# Altium PCB STM32F767IGT6.PcbDoc (part 2 of 2)
Units mil, origin at the board's own origin, x right, y up, seen from the top; angles counter-clockwise.
Board outline 3765 x 2155 mil, 2 copper layers (Top Layer, Bottom Layer); 135 components, 194 nets, 727 pads, 429 vias.
Unrouted connection lines stored in the file: 1.
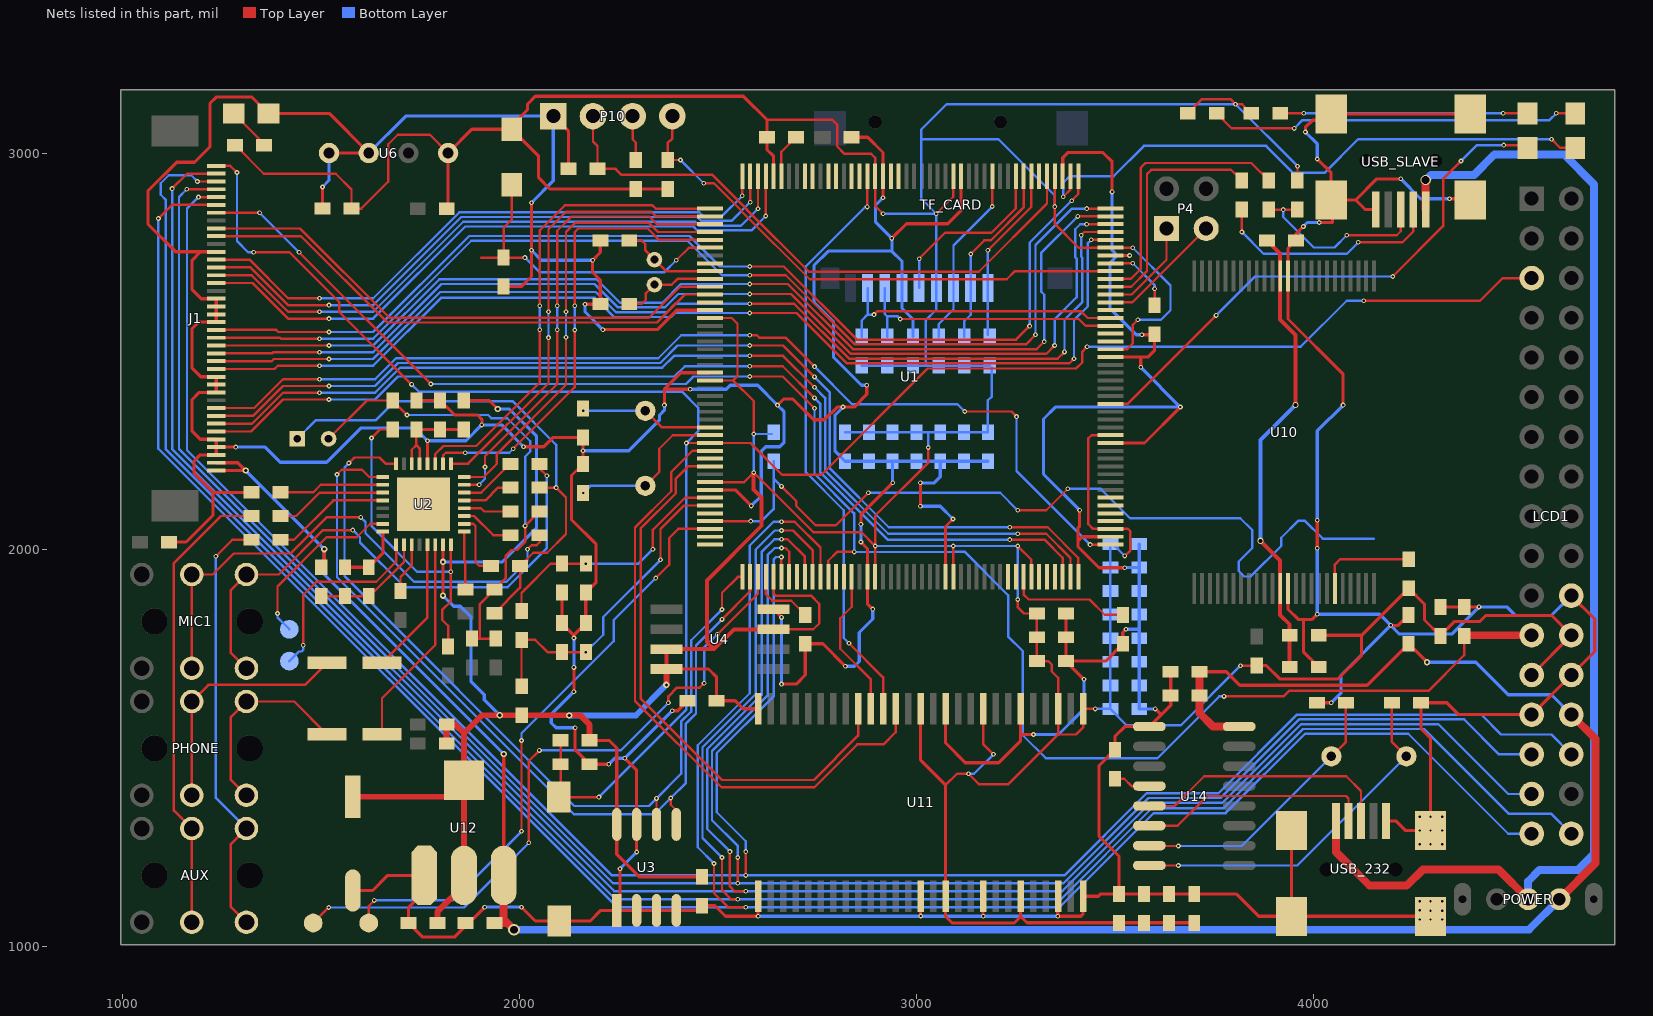
[diagram p2: the nets of this part, all layers, seen from the top]

## Via types
v1: diameter 12, hole 6, Top Layer to Bottom Layer, 405 vias
v2: diameter 16, hole 8, Top Layer to Bottom Layer, 10 vias
v3: diameter 27.56, hole 15.75, Top Layer to Bottom Layer, 9 vias
v4: diameter 16, hole 10, Top Layer to Bottom Layer, 2 vias
v5: diameter 26, hole 20, Top Layer to Bottom Layer, 1 vias
v6: diameter 30, hole 20, Top Layer to Bottom Layer, 1 vias
v7: diameter 14, hole 8, Top Layer to Bottom Layer, 1 vias

## Nets (pads, with @x,y where several pads share a name; then routed paths per layer and width w, separated by ;. In a path a pad name is that pad's centre, name@x,y a point inside that pad or via, vN(x,y) a via of type N, cw(c..) or ccw(c..) an arc to the next point about the centre after c; other vN are vias at no path point) (continued)
FMC_SDNCAS: U1.160 U11.17 | length 1489.6
  Top Layer w6: v1(2830,1765) 2916.06,1678.94 U11.17@2916.06,1600 ; v1(2876.28,2864.28) U1.160@2876.28,2941.32
  Bottom Layer w6: v1(2830,1765) 2817,1778 2817,2100 2721,2196 2721,2714.38 2870.9,2864.28 v1(2876.28,2864.28)
FMC_SDNE0: U1.34 U11.19 | length 1437
  Top Layer w6: U1.34@2480,2210.39 2424.39,2210.39 2394,2180 2394,2142.7 2305,2053.7 2305,1625.59 2510.09,1420.5 2741.5,1420.5 2853.07,1532.07 U11.19@2853.07,1600
FMC_SDNRAS: U1.59 U11.18 | length 375.9
  Top Layer w6: U1.59@2836.91,1932.22 2836.91,1856.91 2808,1828 2808,1751 2884.57,1674.43 U11.18@2884.57,1600
FMC_SDNWE: U1.32 U11.16 | length 1597.8
  Top Layer w6: U1.32@2480,2249.76 2435.76,2249.76 2382,2196 2382,2147.67 2291,2056.67 2291,1619.79 2508.79,1402 2742.8,1402 2850.8,1510 2917,1510 2947.56,1540.56 U11.16@2947.56,1600
GND: C1.2 C2.2 C3.1 C4.1 C5.1 C6.1 C7.1 C8.1 C9.1 C10.1 C11.1 C12.1 C13.1 C14.1 C15.1 C16.1 C17.1 C18.1 C19.1 C20.1 C21.1 C22.1 C23.1 C24.1 C25.1 C26.1 C27.1 C28.1 C29.1 C30.2 C31.2 C32.2 C33.1 C34.1 C35.2 C36.2 C38.2 C39.2 C40.1 C41.1 C42.1 C43.1 C44.1 C45.1 C46.1 C47.1 C48.1 C49.2 C50.1 C55.1 C56.1 C57.1 C58.1 C69.1 J1.3 J1.4 J1.5 J1.11 J1.12 J1.13 J1.20 J1.21 J1.22 J1.23 J1.29 LCD1.22 LCD1.26 LCD1.27 P10.1 PWR.2 R1.2 R8.2 R9.2 R28.1 R31.1 R32.1 RST.2 TF_CARD.6 U1.14 U1.22 U1.37 U1.61 U1.71 U1.90 U1.102 U1.113 U1.126 U1.135 U1.148 U1.158 U2.12 U2.24 U2.33 U3.1 U3.2 U3.3 U3.4 U3.7 U4.4 U6.3 U6.4 U10.13 U10.36 U11.6 U11.12 U11.28 U11.41 U11.46 U11.52 U11.54 U12.1 U14.1 USB_232.5 USB_SLAVE.5 | length 25533.2
  Top Layer w8: R31.1@1116.5,2020 1160,2020 1228,2088 1228,2145 ; J1.29@1236,2751.18 1196.18,2751.18 ; v1(1284.94,2259.06) J1.4@1236,2259.06 ; R32.1@1324.93,2145 1228,2145 ; C69.1@1503.5,2860 v1(1503.5,2914.5) ; U6.4@1520,3000 U6.3@1620,3000 1520.06,3099.94 PWR.2@1367.04,3099.94 1325.98,3141 1236,3141 1220,3125 1220,3016 1181,2977 1136,2977 1064,2905 1064,2821 1133.82,2751.18 1196.18,2751.18 ; C56.1@1560,1956.5 C55.1@1620,1956.5 1655.59,1992.09 U2.24@1655.59,2046.1 ; C35.2@1580,1141.89 1629.89,1141.89 1667.94,1179.94 U12.1@1760.03,1179.94 ; C58.1@1740,2376.5 C57.1@1800,2376.5 1836.5,2340 1894,2340 1905,2329 v1(1905,2315) ; U12.1@1760.03,1138.03 1720,1098 C34.1@1720,1060 1755,1025 1837,1025 v1(1912,1100) ; U2.12@1768,2217.57 v1(1768,2275) ; C8.1@1960,2663.5 2004.5,2663.5 2030,2689 v1(2030,2755) v1(2030,2875) ; v1(2005,1100) 2040,1065 RST.2@2100,1065 2178,1065 2204.73,1091.73 U3.1@2245,1091.73 U3.2@2295,1091.73 U3.3@2345,1091.73 U3.4@2395,1091.73 2448.23,1091.73 C39.2@2460,1103.5 2492.5,1103.5 2518.97,1077.03 v1(2601.03,1077.03) U11.28@2601.03,1127.49 ; v1(2010,2260) 2061,2260 2084.5,2283.5 C1.2@2160,2283.5 v1(2160,2250) C2.2@2160,2216.5 2131,2187.5 2131,2076 2193,2014 2193,1918.5 C9.1@2167,1892.5 C12.1@2167,1815.5 2137,1785.5 ; P10.1@2085,3093 2123.5,3054.5 R9.2@2123.5,2960 ; C10.1@2107,1892.5 C11.1@2107,1815.5 2137,1785.5 ; v1(2137,1643) v1(2137,1704) ; v1(2137,1778) 2137,1785.5 ; v1(2140,1552) 2140,1496.5 C5.1@2176.5,1460 v1(2225,1460) ; v1(2165,2619) C4.1@2202.5,2619 ; C4.1@2203.5,2620 2203.5,2679.5 2184,2699 v1(2184,2730) 2203.5,2749.5 C3.1@2203.5,2780 ; v1(2210,2555) 2347,2555 2396.09,2604.09 U1.14@2480,2604.09 ; U3.1@2253,1103.73 v1(2253,1197) ; v1(2265,1475) 2295,1445 U3.7@2295,1308.27 v1(2295,1239) ; v1(2365,2365) 2365,2405 ; v1(2385,1595) 2398.5,1595 C38.2@2423.5,1620 ; v1(2430,2405) 2365,2405 ; U1.37@2480,2151.34 2543.66,2151.34 v1(2584,2111) ; U1.22@2480,2446.61 2406.61,2446.61 2365,2405 ; U4.4@2640,1850.06 v1(2660,1830.06) ; v1(2650,2365) 2665,2380 2689,2380 2741,2328 2768,2328 2800,2360 v1(2815,2360) 2843,2360 2875,2392 v1(2875,2415) ; v1(2660,1662) 2697,1662 2720,1685 R1.2@2720,1763.5 2764.5,1763.5 v1(2821,1707) ; R8.2@2836.5,3040 2877,3040 2915.65,3001.35 U1.158@2915.65,2941.32 v1(2915.65,2887.65) ; v1(2860,2020) 2876.28,2003.72 U1.61@2876.28,1932.22 2876.28,1864.72 v1(2890,1851) ; v1(2860,2065) 2860,2089 v1(2940,2169) ; v1(2938,2785) 2975,2822 3079,2822 3112.5,2855.5 U1.148@3112.5,2941.32 ; v1(3010,2110) v1(3010,2169) ; v1(3010.55,1077.58) U11.41@3010.55,1127.56 ; U1.71@3073.13,1932.22 3073.13,2059.13 v1(3092,2078) ; U11.12@3073.54,1600 3073.54,1513.46 3123,1464 3207,1464 3262.52,1519.52 3262.52,1535 ; v1(3168.03,1077.03) U11.46@3168.03,1127.56 ; U11.6@3262.52,1600 3262.52,1535 ; v1(3295,1535) 3262.52,1535 ; U11.52@3356.03,1126.58 v1(3356.03,1077.03) 3414.03,1077.03 3420,1083 U11.54@3420,1127.56 3458.56,1127.56 3464.5,1133.5 C45.1@3510,1133.5 ; U1.135@3368.41,2941.32 3368.41,2988.41 3381,3001 3470,3001 3493,2978 v1(3493,2902) ; C42.1@3376.5,1840 C43.1@3376.5,1780 C44.1@3376.5,1720 ; v1(3411,2100) 3411,2060 3407,2056 3407,2022 ; v1(3422,1674.5) C44.1@3376.5,1720 ; U1.90@3489.09,2033.23 3418.23,2033.23 3407,2022 ; U1.102@3489.09,2269.45 3574.45,2269.45 v1(3665,2360) ; U1.113@3489.09,2485.98 3565,2485.98 ; U1.126@3489.09,2741.89 v1(3537,2741.89) ; v1(3525,1955) 3460,1955 3407,2008 3407,2022 ; v1(3528,1800) 3520,1792 C6.1@3520,1763.5 3476.5,1720 C44.1@3376.5,1720 ; v1(3565,2460) 3565,2485.98 ; v1(3568,2542) C7.1@3598.5,2542 ; C7.1@3600,2543.5 3600,2503 3582.98,2485.98 3565,2485.98 ; v1(3601.5,1599.5) 3616.39,1584.61 ; C32.2@3640.5,1693 C31.2@3640.5,1633 3640.5,1608.69 U14.1@3586.81,1555 3525,1555 3500,1530 C28.1@3500,1496.5 3460,1456.5 3460,1279 3510,1229 C45.1@3510,1133.5 ; U10.13@3936.22,1903.07 3936.22,1850.78 3962,1825 3975,1825 ; USB_232.5@3944.81,1293.43 USB_232.5@3944.81,1076.89 ; v1(3975,2815) 3956.5,2796.5 C41.1@3956.5,2780 3936.22,2759.72 U10.36@3936.22,2690.47 3936.22,2581.78 4075,2443 v1(4075,2365) ; v1(3980,3053) 3980,3065 3998,3083 4029.69,3083 USB_SLAVE.5@4044.8,3098.11 USB_SLAVE.5@4395.19,3098.11 ; C29.1@4009.01,1615 v1(4045,1615) ; v1(4010,1838) 3997,1825 3975,1825 ; v1(4010,2004) v1(4010,2075) ; v1(4010,2985) 4044.8,2950.2 USB_SLAVE.5@4044.8,2881.57 4106.43,2881.57 ; C40.1@4013.5,1705 3975,1743.5 3975,1825 ; v1(4015,2825) 4048,2825 USB_SLAVE.5@4048,2878.37 ; USB_SLAVE.5@4157.01,2857.64 4130.36,2857.64 4106.43,2881.57 ; USB_232.5@4182.99,1317.36 4207.64,1317.36 4231.57,1293.43 USB_232.5@4295.2,1293.43 4295.2,1525.8 4270.99,1550.01 C30.2@4270.99,1615 4336,1615 4366,1585 LCD1.27@4550,1585 LCD1.26@4650,1685 4709,1744 4709,1826 LCD1.22@4650,1885 ; v1(4195,1810) 4213.5,1810 C50.1@4240,1836.5 ; v1(4220,2935) 4159.85,2935 4106.43,2881.57 ; USB_232.5@4295.2,1076.89 USB_232.5@3944.81,1076.89 ; C49.2@4320,1856.5 R28.1@4380,1856.5 v1(4417.5,1856.5) ; v1(4343,2885) USB_SLAVE.5@4391.77,2885 ; 1196.18,2751.18 1175,2730 1175,2656 1197.93,2633.07 J1.23@1236,2633.07 J1.20@1236,2574.02 1191.02,2574.02 1175,2558 1175,2458 1196.78,2436.22 J1.13@1236,2436.22 J1.11@1236,2396.85 1192.85,2396.85 1175,2379 1175,2299 1195.26,2278.74 J1.5@1236,2278.74 J1.4@1236,2259.06 ; 1228,2145 1180,2193 1180,2224 1195.37,2239.37 J1.3@1236,2239.37 J1.4@1236,2259.06 ; C45.1@3510,1133.5 C46.1@3573.33,1133.5 C47.1@3636.67,1133.5 C48.1@3700,1133.5 3805.5,1133.5 3862.11,1076.89 USB_232.5@3944.81,1076.89
  Bottom Layer w8: v1(1284.94,2259.06) 1358.94,2259.06 1397,2221 1514,2221 1600,2307 1736,2307 v1(1768,2275) 1865,2275 v1(1905,2315) 1955,2315 v1(2010,2260) ; v1(1503.5,2914.5) 1520,2931 U6.4@1520,3000 ; U6.3@1620,3000 1713,3093 P10.1@2085,3093 2085,2930 v1(2030,2875) ; v1(1912,1100) v1(2005,1100) ; v1(2030,2755) 2055,2730 v1(2184,2730) ; v1(2137,1643) 2080,1586 2080,1564 2092,1552 v1(2140,1552) ; v1(2137,1704) v1(2137,1778) ; v1(2160,2250) 2275,2250 2353,2328 2353,2340 2365,2352 v1(2365,2365) ; v1(2165,2619) 2165,2600 v1(2210,2555) ; v1(2225,1460) 2240,1475 v1(2265,1475) v1(2385,1595) ; v1(2253,1197) v1(2295,1239) ; v1(2430,2405) 2521,2405 2531,2415 2600,2415 v1(2650,2365) 2666,2349 2666,2270 2656,2260 2620,2260 2609,2249 2609,2136 v1(2584,2111) ; v1(2601.03,1077.03) v1(3168.03,1077.03) v1(3356.03,1077.03) ; v1(2660,1662) v1(2660,1830.06) ; v1(2815,2360) 2795,2340 2795,2248.5 C19.1@2820,2223.5 C18.1@2880,2223.5 C17.1@2940,2223.5 ; v1(2821,1707) 2844,1707 2856,1719 2856,1792 2890,1826 v1(2890,1851) ; v1(2860,2020) v1(2860,2065) ; v1(2875,2415) 2861.61,2415 2791,2485.61 2791,2575 2742,2624 2742,2717 2778,2753 2938,2753 ; v1(2915.65,2887.65) 2897,2869 2897,2826 v1(2938,2785) 2938,2753 ; v1(2940,2169) C17.1@2940,2223.5 ; C36.2@2991.2,2537.5 2991.2,2580.8 2963.46,2608.54 TF_CARD.6@2963.46,2660 2963.46,2727.54 2938,2753 ; v1(3010,2110) 3060,2110 v1(3092,2078) ; v1(3010,2169) 3045,2169 3060,2184 C15.1@3060,2223.5 ; C13.1@3180,2223.5 C14.1@3120,2223.5 C15.1@3060,2223.5 ; v1(3295,1535) 3358,1535 3422,1599 v1(3422,1674.5) ; v1(3411,2100) 3320,2191 3320,2330 3350,2360 v1(3665,2360) v1(3565,2460) ; v1(3493,2902) 3493,2754.78 3505.89,2741.89 ; v1(3525,1955) 3525.64,1955.64 C21.1@3561.5,1955.64 ; v1(3528,1800) 3560.5,1800 ; v1(3537,2741.89) 3505.89,2741.89 ; C20.1@3561.5,2015 C21.1@3561.5,1955.64 ; v1(3568,2542) 3554,2542 3488,2608 3488,2724 3505.89,2741.89 ; v1(3601.5,1599.5) C27.1@3561.5,1599.5 C26.1@3561.5,1658.86 C25.1@3561.5,1718.21 C24.1@3561.5,1777.57 C23.1@3561.5,1836.93 C22.1@3561.5,1896.29 C21.1@3561.5,1955.64 ; v1(3975,2815) 3985,2825 v1(4015,2825) ; v1(3980,3053) 4010,3023 v1(4010,2985) ; v1(4010,2004) v1(4010,1838) 4167,1838 v1(4195,1810) ; v1(4010,2075) 4010,2300 v1(4075,2365) ; v1(4045,1615) 4070,1640 4070,1685 v1(4195,1810) ; v1(4220,2935) 4270,2885 v1(4343,2885) ; LCD1.22@4650,1885 4600,1835 4509,1835 4487.5,1856.5 v1(4417.5,1856.5) 4349,1788 4217,1788 v1(4195,1810) ; C17.1@2940,2223.5 C16.1@3000,2223.5 C15.1@3060,2223.5
  other v1: 4268,1069 4295.2,1069 4325,1069 4295.2,1091 4325,1091 4268,1092 4268,1115 4295.2,1115 4325,1115 4268,1258 4295.2,1258 4325,1258 4268,1293 4295.2,1293 4325,1293 4268,1328 4295.2,1328 4325,1328
IIC1_SCL: U1.168
IIC1_SDA: U1.167
IIC_SCL: U1.45 U2.16 U3.6 | length 2174.7
  Top Layer w6: v1(1570,2219) 1584,2233 1647,2233 1662.59,2217.41 U2.16@1689.1,2217.41 ; U3.6@2345,1308.27 v1(2345,1374) ; v1(2510,1850) 2510,1892 2550.22,1932.22 U1.45@2561.32,1932.22
  Bottom Layer w6: v1(1570,2219) 1559,2208 1559,1934 2138,1355 2326,1355 v1(2345,1374) 2407,1436 2407,1567.34 2432.45,1592.79 2432.45,1772.45 v1(2510,1850)
IIC_SDA: U1.46 U2.17 U3.5 | length 2169.2
  Top Layer w6: v1(1540,2190) 1552,2202 1603,2202 1621.1,2183.9 U2.17@1655.59,2183.9 ; v1(2381,1375) 2381,1358 U3.5@2395,1344 ; v1(2510,1825) 2581,1896 U1.46@2581,1932.22
  Bottom Layer w6: v1(1540,2190) 1540,1931 2137,1334 2340,1334 v1(2381,1375) 2419,1413 2419,1562.37 2444.45,1587.82 2444.45,1759.45 v1(2510,1825)
JTCK: P10.2 R9.1 U1.137 | length 1517.7
  Top Layer w6: P10.2@2185,3093 2185,3029 2196.5,3017.5 R9.1@2196.5,2960 2242,2960 2257,2945 2485.94,2945 2572,2858.94 2572,2858 2729,2701 3157,2701 3329.04,2873.04 U1.137@3329.04,2941.32
JTDO: P10.3 R10.1 | length 113.8
  Top Layer w6: P10.3@2285,3093 2285,3034 2293,3026 R10.1@2293,2982.5
JTMS: P10.4 R11.1 U1.124 | length 1365.1
  Top Layer w6: P10.4@2385,3093 2385,3037 2373,3025 R11.1@2373,2982.5 v1(2405.5,2982.5) ; v1(2464,2924) 2489.97,2924 2560,2853.97 2560,2853 2731,2682 3227.56,2682 3248.08,2702.52 U1.124@3489.09,2702.52
  Bottom Layer w6: v1(2405.5,2982.5) v1(2464,2924)
LCD_B4: J1.25 U1.173 | length 1636.7
  Top Layer w6: J1.25@1236,2672.44 1327.53,2672.44 1417.01,2582.96 v1(1520,2582.96) ; v1(2620.37,2841.37) U1.173@2620.37,2941.32
  Bottom Layer w6: v1(1520,2582.96) 1631.17,2582.96 1863.21,2815 2437.91,2815 2447.91,2805 2584,2805 v1(2620.37,2841.37)
LCD_B5: J1.26 U1.174 | length 1600.4
  Top Layer w6: J1.26@1236,2692.13 1324.82,2692.13 1416.98,2599.96 v1(1496,2599.96) ; v1(2600.69,2859.69) U1.174@2600.69,2941.32
  Bottom Layer w6: v1(1496,2599.96) 1631.2,2599.96 1858.24,2827 2442.88,2827 2452.88,2817 2558,2817 v1(2600.69,2859.69)
LCD_B6: J1.27 U1.175 | length 1565.2
  Top Layer w6: J1.27@1236,2711.81 1322.1,2711.81 1416.95,2616.96 v1(1520,2616.96) ; v1(2581,2876) U1.175@2581,2941.32
  Bottom Layer w6: v1(1520,2616.96) 1631.23,2616.96 1853.27,2839 2447.85,2839 2457.85,2829 2534,2829 v1(2581,2876)
LCD_B7: J1.28 U1.176 | length 1530
  Top Layer w6: J1.28@1236,2731.5 1319.39,2731.5 1416.92,2633.96 v1(1496,2633.96) ; v1(2561.32,2892.32) U1.176@2561.32,2941.32
  Bottom Layer w6: v1(1496,2633.96) 1631.26,2633.96 1848.3,2851 2452.82,2851 2462.82,2841 2510,2841 v1(2561.32,2892.32)
LCD_BL: J1.34 LCD1.23 R28.2 U1.56 | length 4507.5
  Top Layer w6: J1.34@1236,2849.61 v1(1345,2849.61) ; v1(1444.61,2750) v1(1776.61,2418) ; v1(2580,2437) 2663,2437 v1(2743,2357) ; U1.56@2777.85,1932.22 2777.85,1972.85 2800,1995 v1(2843,1995) ; v1(3775,1631) 3925,1631 3939,1645 4290,1645 4380,1735 R28.2@4380,1783.5
  Top Layer w20: R28.2@4381.5,1785 LCD1.23@4550,1785
  Bottom Layer w6: v1(1345,2849.61) v1(1444.61,2750) ; v1(1776.61,2418) 2419,2418 2438,2437 v1(2580,2437) ; v1(2743,2357) 2743,2192 2843,2092 v1(2843,1995) 2843.18,1994.82 3099.03,1994.82 3099.21,1995 3122,1995 3231,1886 3231,1782 3268,1745 3268,1533 3326,1475 3607,1475 3763,1631 v1(3775,1631)
LCD_G2: J1.14 U1.128 | length 2685.6
  Top Layer w6: J1.14@1236,2455.91 1382.91,2455.91 1390.96,2463.96 v1(1496,2463.96) ; v1(2580,2597) 2698,2597 2825,2470 3385,2470 v1(3397,2482) ; v1(3440.26,2781.26) U1.128@3489.09,2781.26
  Bottom Layer w6: v1(1496,2463.96) 1630.96,2463.96 1802,2635 2190.09,2635 2238.09,2587 2382,2587 2392,2597 v1(2580,2597) v1@2578,2595 ; v1(3397,2482) 3397,2579 3432,2614 3432,2773 v1(3440.26,2781.26)
LCD_G3: J1.15 U1.129 | length 2694.5
  Top Layer w6: J1.15@1236,2475.59 1375.59,2475.59 1380.96,2480.96 v1(1520,2480.96) ; v1(2580,2620) 2691.97,2620 2829.97,2482 3356,2482 v1(3373,2499) ; v1(3415,2793) 3422.94,2800.94 U1.129@3489.09,2800.94
  Bottom Layer w6: v1(1520,2480.96) 1630.99,2480.96 1800.03,2650 2192.06,2650 2243.06,2599 2371,2599 2392,2620 v1(2580,2620) ; v1(3373,2499) 3373,2580 3418,2625 3418,2736.2 3415,2739.2 v1(3415,2793)
LCD_G4: J1.16 U1.130 | length 2706.3
  Top Layer w6: J1.16@1236,2495.28 1376.28,2495.28 1378.96,2497.96 v1(1496,2497.96) ; v1(2580,2645) 2683.94,2645 2834.94,2494 3327,2494 v1(3348,2515) ; v1(3428.63,2820.63) U1.130@3489.09,2820.63
  Bottom Layer w6: v1(1496,2497.96) 1631.02,2497.96 1803.06,2670 2189.03,2670 2248.03,2611 2366,2611 2400,2645 v1(2580,2645) ; v1(3348,2515) 3348,2581 3404,2637 3404,2733.23 3400,2737.23 3400,2808 3412.63,2820.63 v1(3428.63,2820.63)
LCD_G5: J1.17 U1.131 | length 2714.5
  Top Layer w6: J1.17@1236,2514.96 v1(1520,2514.96) ; v1(2580,2670) 2675.91,2670 2839.91,2506 3303,2506 v1(3322,2525) ; v1(3406.32,2840.32) U1.131@3489.09,2840.32
  Bottom Layer w6: v1(1520,2514.96) 1631.05,2514.96 1798.09,2682 2194,2682 2253,2623 2360,2623 2407,2670 v1(2580,2670) ; v1(3322,2525) 3322,2643 3314,2651 3314,2748 v1(3406.32,2840.32)
LCD_G6: J1.18 U1.132 | length 2738.7
  Top Layer w6: J1.18@1236,2534.65 1396.35,2534.65 1399.04,2531.96 v1(1496,2531.96) ; v1(2580,2692) 2670.88,2692 2844.88,2518 3276,2518 v1(3300,2542) ; v1(3429,2860) U1.132@3489.09,2860
  Bottom Layer w6: v1(1496,2531.96) 1631.08,2531.96 1878.12,2779 2423,2779 2510,2692 v1(2580,2692) ; v1(3300,2542) 3300,2768 3392,2860 v1(3429,2860)
LCD_G7: J1.19 U1.133 | length 2702.3
  Top Layer w6: J1.19@1236,2554.33 1386.67,2554.33 1392.04,2548.96 v1(1520,2548.96) v1@1518.96,2550 ; v1(2580,2714) 2665.85,2714 2849.85,2530 3251,2530 v1(3285,2564) ; v1(3391,2880) 3407.78,2896.78 U1.133@3407.78,2941.32
  Bottom Layer w6: v1(1520,2548.96) 1631.11,2548.96 1873.15,2791 2427.97,2791 2504.97,2714 v1(2580,2714) ; v1@3285,2565 3285,2774 v1(3391,2880)
LCD_HSYNC: J1.31 U1.12 | length 1363.3
  Top Layer w6: J1.31@1236,2790.55 1449.48,2790.55 1667.03,2573 2346.62,2573 2417.08,2643.46 U1.12@2480,2643.46
LCD_R3: J1.6 U1.86 | length 2549.7
  Top Layer w6: J1.6@1236,2298.43 1323.31,2298.43 1403.84,2378.96 v1(1520,2378.96) ; v1(2580,2463) 2663,2463 v1(2743,2383) ; v1(3235,2026) 3322.41,2026 3368.41,1980 U1.86@3368.41,1932.22
  Bottom Layer w6: v1(1520,2378.96) 1635.96,2378.96 1694,2437 2390.7,2437 2416.7,2463 v1(2580,2463) ; v1(2743,2383) 2758,2368 2758,2195.06 2927.06,2026 v1(3235,2026)
LCD_R4: J1.7 U1.87 | length 2588.7
  Top Layer w6: J1.7@1236,2318.11 1326.02,2318.11 1403.87,2395.96 v1(1496,2395.96) ; v1(2580,2489) 2664,2489 v1(2743,2410) ; v1(3255,2041) 3327.09,2041 3388.09,1980 U1.87@3388.09,1932.22
  Bottom Layer w6: v1(1496,2395.96) 1635.99,2395.96 1699.03,2459 2359.29,2459 2389.29,2489 v1(2580,2489) ; v1(2743,2410) 2770,2383 2770,2200.03 2929.03,2041 v1(3255,2041)
LCD_R5: J1.8 U1.88 | length 2627
  Top Layer w6: J1.8@1236,2337.8 1328.74,2337.8 1403.9,2412.96 v1(1520,2412.96) ; v1(2580,2515) 2664,2515 v1(2743,2436) ; v1(3235,2057) 3330.78,2057 3407.78,1980 U1.88@3407.78,1932.22
  Bottom Layer w6: v1(1520,2412.96) 1636.02,2412.96 1694.06,2471 2354.32,2471 2398.32,2515 v1(2580,2515) ; v1(2743,2436) 2782,2397 2782,2205 2930,2057 v1(3235,2057)
LCD_R6: J1.9 U1.89 | length 2627.8
  Top Layer w6: J1.9@1236,2357.48 1331.45,2357.48 1403.93,2429.96 v1(1496,2429.96) ; v1(2580,2541) 2598,2541 2604,2535 2670,2535 v1(2743,2462) ; v1(3121.75,2348.75) 3239.25,2348.75 v1(3252,2336) ; v1(3437.46,2013.54) U1.89@3489.09,2013.54
  Bottom Layer w6: v1(1496,2429.96) 1636.05,2429.96 1689.09,2483 2349.35,2483 2407.35,2541 v1(2580,2541) ; v1(2743,2462) 2838,2367 3103.5,2367 v1(3121.75,2348.75) ; v1(3252,2336) 3252,2199 v1(3437.46,2013.54)
LCD_RESET: C5.2 J1.40 LCD1.5 R2.2 RST.1 U1.31 | length 5290.2
  Top Layer w6: J1.40@1236,2967.72 1271.28,2967.72 v1(1288,2951) ; v1(1330,2750) 1420,2750 1546,2624 1546,2599 v1(1728,2417) ; RST.1@2099.21,1377.31 v1(2200,1377.31) ; RST.1@2103.5,1381.6 C5.2@2103.5,1460 R2.2@2103.5,1520 ; v1(2420.45,2269.45) U1.31@2480,2269.45 2581.55,2269.45 2662,2189 2760,2189 3028,2457 3402,2457 3418,2473 3418,2500 v1(3430,2512) ; v1(4127,2628) 4420,2628 4477,2685 LCD1.5@4550,2685
  Bottom Layer w6: v1(1288,2951) 1288,2778 1316,2750 v1(1330,2750) ; v1(1728,2417) 1746,2399 2409.18,2399 2450,2358.18 2450,2299 v1(2420.45,2269.45) 2420.45,1597.76 v1(2200,1377.31) ; v1(3430,2512) 3968,2512 4084,2628 v1(4127,2628)
LCD_VSYNC: J1.32 U1.11 | length 1369.6
  Top Layer w6: J1.32@1236,2810 1447,2810 1672,2585 2326,2585 2404.15,2663.15 U1.11@2480,2663.15
LED0: DS0.2 U1.107 | length 1383.6
  Top Layer w6: U1.107@3489.09,2367.87 3531.87,2367.87 v1(3755,2591) ; v1(4200,2689) 4327,2816 4327,2935 v1(4372,2980) ; v1(4480,3020) DS0.2@4532.9,3020
  Bottom Layer w6: v1(3755,2591) 3853,2689 v1(4200,2689) ; v1(4372,2980) 4412,3020 v1(4480,3020)
LED1: DS1.2 U1.134 | length 1494.8
  Top Layer w6: v1(3370,2890) 3388.09,2908.09 U1.134@3388.09,2941.32 ; v1(4600,3035) 4622.04,3012.96 DS1.2@4659.94,3012.96
  Bottom Layer w6: v1(3370,2890) 3370,2925 3387,2942 3497,2942 3573,3018 3881,3018 3949,2950 4028,2950 4113,3035 v1(4600,3035)
NetAUX_1: AUX.1 C66.2 | length 1094.2
  Top Layer w6: v1(1235,1984) 1276.57,2025.57 C66.2@1324.93,2025.57 ; AUX.1@1311.89,1061.89 1272,1101.78 1272,1258.22 AUX.1@1311.89,1298.11
  Bottom Layer w6: v1(1235,1984) 1235,1375 AUX.1@1311.89,1298.11
NetAUX_2: AUX.2 C65.2 | length 1168.8
  Top Layer w6: AUX.2@1174.09,1061.89 AUX.2@1174.09,1298.11 1129,1343.2 1129,1967 1247.57,2085.57 C65.2@1324.93,2085.57
NetC6_2: C6.2 U1.81 | length 315.6
  Top Layer w6: U1.81@3269.98,1932.22 3269.98,1888.02 3283,1875 3436,1875 3474.5,1836.5 C6.2@3520,1836.5
NetC7_2: C7.2 U1.125 | length 184.4
  Top Layer w6: U1.125@3489.09,2722.2 v1(3545,2722.2) ; C7.2@3600,2616.5 v1(3600,2658)
  Bottom Layer w6: v1(3545,2722.2) 3600,2667.2 v1(3600,2658)
NetC8_2: C8.2 D1.2 U1.6 | length 808.9
  Top Layer w6: 1903.5,2736.5 C8.2@1960,2736.5 ; D1.2@1980,2920 1980,2832 1960,2812 C8.2@1960,2736.5 ; v1(2013.5,2736.5) C8.2@1960,2736.5 ; v1(2395,2730) 2426.57,2761.57 U1.6@2480,2761.57